# Allegro board WeChat_ZM_PART_20200601.brd (continued)
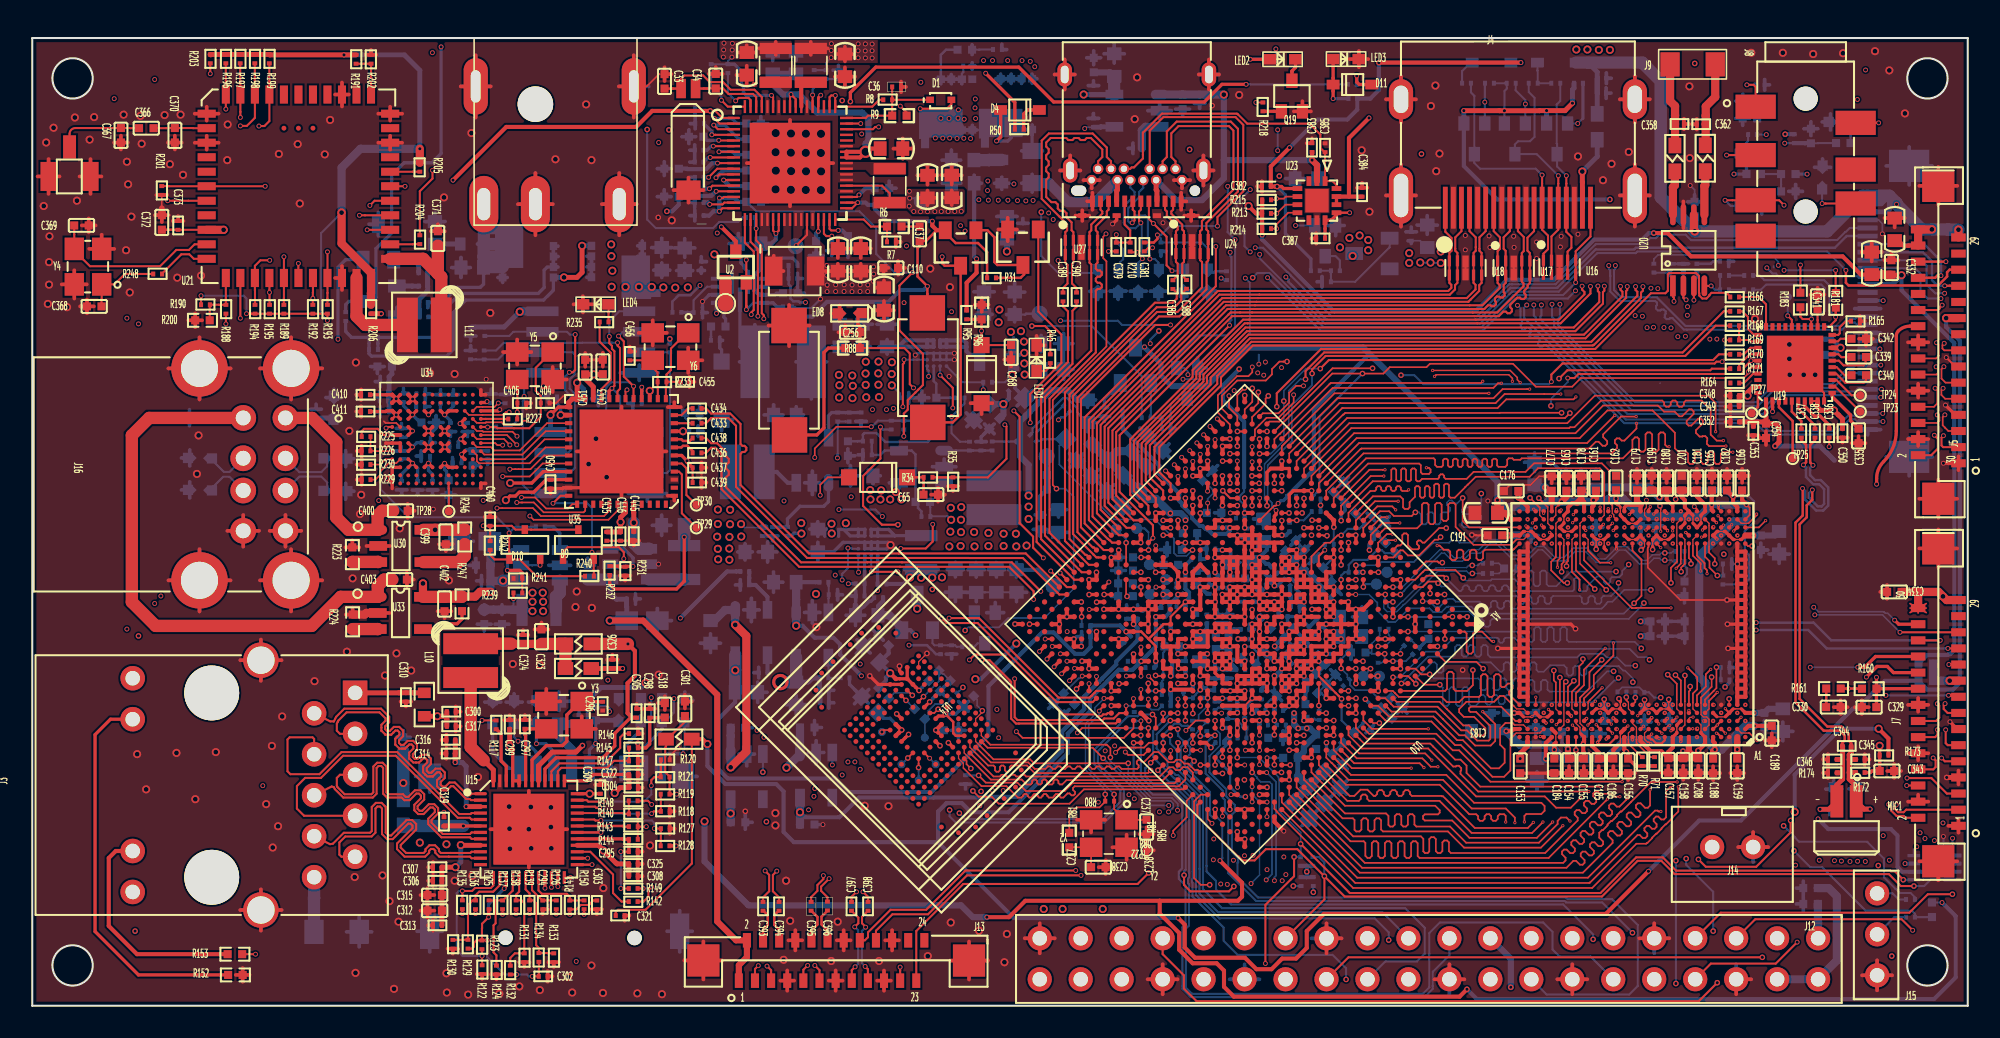
[diagram p0: board, top side]
## Routing (per net, layer and track width the routed paths; a pad name or vN(x,y) marks a point on that pad's centre or on a via; arc(x,y) is an arc through that point) (continued)
WIFI-EN: length 3.6
  TOP w0.127: U21.12 12,43.87 12.01,43.86 R188.2 11.58,43.46 11.57,43.47 R190.1 11,43.45 R200.2
WL-REG-ON: length 88.7
  TOP w0.127: R188.1 v1(12.01,42.28) ; U10.W31 66.67,18.14 66.59,18.06 66.39,18.06 66.28,17.95 66.02,17.95 65.91,18.06 63.93,18.06 60.22,21.77 58.43,21.77 v1(58.1,21.45)
  SIG1 w0.127: v1(6.59,42.28) v2(6.59,22.93)
  SIG2 w0.127: v1(12.01,42.28) v1(6.59,42.28) ; v1(58.1,21.45) 57.59,20.93 54.92,20.93 54.29,21.57 34.9,21.57 33.39,23.08 6.74,23.08 v2(6.59,22.93)
WL-SDIO-CLK: length 65.9
  TOP w0.127: v1(16.5,46.03) 16.5,45.13 U21.17
  TOP w0.203: v2(74.71,32.85) 74.71,32.85 U10.AF7
  SIG2 w0.102: v2(74.71,32.85) 74.49,32.85 74.41,32.92 74.41,32.92 73.95,33.39 73.73,33.39 73.37,33.75 73.37,33.97 73.06,34.28 72.76,34.28 72.52,34.52 72.12,34.52 71.86,34.78 69.83,34.78 68.88,33.84 51.46,33.84 50.85,34.45 46.94,34.45 39.47,41.92 27.45,41.92 23.34,46.03 v1(16.5,46.03)
WL-SDIO-CMD: length 68.1
  TOP w0.102: U10.AH6 v2(73.8,33.77)
  TOP w0.127: v1(15.6,46.44) U21.16 15.6,43.87 15.6,43.86 R189.2
  SIG2 w0.102: v2(73.8,33.77) 73.8,34.19 73,34.99 72.63,34.99 72.42,35.19 69.85,35.19 68.73,34.07 51.59,34.07 50.96,34.7 47.17,34.7 39.68,42.19 27.57,42.19 23.33,46.44 16.12,46.44 16.12,46.44 v1(15.6,46.44)
WL-SDIO-D0: length 65
  TOP w0.127: R192.2 v1(17.4,43.86) 17.4,44.22 17.4,44.23 U21.18
  TOP w0.203: v2(75.17,31.47) 75.17,31.47 U10.AD8
  SIG2 w0.102: v2(75.17,31.47) 73.82,31.47 73.13,32.16 73,32.16 72.85,32.31 69.55,32.31 69.14,32.72 46.33,32.72 39.25,39.8 27.42,39.8 23.36,43.86 v1(17.4,43.86)
WL-SDIO-D1: length 65.7
  TOP w0.127: U21.19 v1(18.3,46.74) ; U21.19 18.3,45.12 ; U21.19 18.3,44.2 18.3,44.2 18.3,43.86 18.3,43.86 R193.2
  TOP w0.203: v2(74.25,35.15) 74.25,35.15 U10.AK5
  SIG2 w0.102: v1(18.3,46.74) 23.4,46.74 27.72,42.42 39.83,42.42 47.27,34.98 51,34.98 51.66,34.32 68.6,34.32 68.74,34.46 70.03,35.75 72.78,35.75 73.05,35.48 73.92,35.48 v2(74.25,35.15)
WL-SDIO-D2: length 70.3
  TOP w0.127: U10.AG7 v2(74.25,32.4) ; v1(14.72,46.22) 14.15,46.22 13.8,45.88 U21.14 13.8,44.37 13.81,44.36 R194.2
  SIG2 w0.102: v2(74.25,32.4) 74.25,32.81 74.22,32.84 73.87,33.2 73.65,33.2 73.18,33.67 73.18,33.89 72.98,34.09 72.71,34.09 72.53,33.92 72.52,33.92 72.49,33.89 72.22,33.89 72.05,34.07 71.66,34.07 71.43,34.3 69.73,34.3 69.03,33.6 47.36,33.6 40.14,40.81 28.19,40.81 23.28,45.72 15.22,45.72 v1(14.72,46.22)
WL-SDIO-D3: length 67.8
  TOP w0.127: U10.AE8 74.27,31.47 v2(73.81,31.93) ; R195.2 14.71,44.22 ; 14.71,44.22 14.71,44.36 14.7,44.37 U21.15 ; 14.71,44.22 v1(14.71,44.23)
  SIG2 w0.102: 73.67,32.55 73.49,32.72 72.53,32.72 72.09,33.16 71.83,33.16 71.64,32.97 71.32,32.97 71.11,33.18 70.71,33.18 70.41,33.48 69.73,33.48 69.43,33.18 47.02,33.18 46.95,33.25 46.76,33.25 39.73,40.28 27.79,40.28 23.62,44.45 16.57,44.45 16.35,44.23 v1(14.71,44.23)
  SIG2 w0.127: 73.67,32.55 73.81,32.4 v2(73.81,31.93)
WL-WAKE-HOST: length 94.7
  TOP w0.127: U10.V31 67.18,17.51 66.48,17.51 66.47,17.5 60.99,17.5 60.69,17.8 60.69,20.08 60.62,20.15 60.62,20.16 59.36,21.42 v1(58.87,21.42) ; U21.13 v1(12.9,42.63)
  SIG1 w0.127: v1(5.87,42.63) 5.87,23.7 5.87,23.69 v1(5.87,23.35)
  SIG2 w0.127: v1(5.87,23.35) 6.21,23.35 6.21,23.35 33.53,23.35 35.08,21.8 54.81,21.8 55.3,22.28 58.34,22.28 58.87,21.76 v1(58.87,21.42) ; v1(12.9,42.63) v1(5.87,42.63)
XTAL-IN: length 3.4
  TOP w0.127: U21.11 10.02,46.31 9.74,46.59 9.24,46.59 8.05,45.4 R248.1
XTAL_OUT: length 10.7
  TOP w0.127: C369.1 2.6,47.82 2.6,47.82 Y4.3 2.6,46.83 3.58,45.85 7.92,45.85 8.93,46.86 9.71,46.86 10.06,47.21 U21.10
N01909: length 2.1
  TOP w0.076: 58.86,18.17 58.49,17.79 U14.K2
  TOP w0.102: v2(58.9,18.29) 58.9,18.21 58.86,18.17
  BOTTOM w0.102: C289.2 58.58,18.99 58.58,18.61 v2(58.9,18.29)
N02023: length 1.1
  TOP w0.102: v2(54.17,18.93) 54.04,19.07 54.04,19.07 U14.W6
  BOTTOM w0.102: R115.2 54.34,18.77 54.33,18.77 v2(54.17,18.93)
N02115: length 1
  TOP w0.102: v1(55.64,15.34) 55.5,15.49 55.5,15.49 U14.M9
  BOTTOM w0.102: v1(55.64,15.34) 55.78,15.2 55.78,15.2 TP17.1
N02119: length 1.4
  TOP w0.102: v2(54.95,14.77) 54.95,14.99 54.95,14.99 U14.M10
  BOTTOM w0.102: v2(54.95,14.77) 54.95,14.54 54.95,14.54 54.95,14.27 TP18.1
N02213: length 1
  TOP w0.102: v2(54.28,15.36) 54.44,15.52 U14.N10
  BOTTOM w0.102: v2(54.28,15.36) 54.11,15.19 54.11,15.18 TP19.1
N02217: length 0.6
  TOP w0.102: v2(52.68,16.97) 52.8,17.09 U14.U10
N02899: length 3.4
  TOP w0.102: v2(55.26,19.17) 55.1,19.01 55.1,19 U14.U5
  BOTTOM w0.102: C288.2 56.5,20.57 56.43,20.57 R116.2 56.22,20.13 v2(55.26,19.17)
N14736087: length 4.3
  TOP w0.305: J3.1 22.73,19.4 22.74,19.41 C310.2 23.62,19.41 23.63,19.4 R151.2
N14736095: length 3.4
  BOTTOM w0.762: C311.2 17.47,6.69 17.48,6.7 J3.10
N15905404: length 2.1
  BOTTOM w0.127: D7.2 93.32,57.99 93.33,57.97 R155.1 R159.1
N15905522: length 1.6
  BOTTOM w0.127: D8.2 89.18,58.48 88.65,57.95 R157.1
N16368772: length 2.7
  TOP w0.508: J7.19 v5(118.88,20.16)
  BOTTOM w0.508: v5(118.88,20.16) 118.36,20.16 118.35,20.15 R163.2 ; R162.2 R163.2 ; R163.2 117.86,20.16
N16458616: length 5.2
  TOP w0.508: FB6.2 101.85,53.35 C358.1 101.85,55.2 101.85,55.2 101.85,55.78 101.54,56.09 J9.1
N16458620: length 2.7
  TOP w0.508: U20.8 101.72,50.75 101.84,50.87 FB6.1
N16458648: length 5.3
  TOP w0.508: J9.2 104.34,56.34 103.76,55.76 103.76,55.19 103.75,55.19 C362.2 103.75,53.37 FB7.2
N16458660: length 2.4
  TOP w0.127: v1(106.3,57.1) 106.72,57.1 106.85,56.97 J8.1
  BOTTOM w0.127: R186.1 v1(106.3,57.1)
N16458704: length 2.3
  BOTTOM w0.127: C355.1 108.43,50.93 108.43,50.94 R175.2 107.99,51.57 107.99,51.57 R177.1
N16458758: length 9.2
  TOP w0.127: J8.7 111.19,49.74 111.19,49.74 v1(110.97,49.74) ; R183.2 109.62,44.65 109.63,44.65 v1(109.63,45.93)
  SIG1 w0.152: v1(109.63,45.93) 110.97,47.27 v1(110.97,49.74)
  BOTTOM w0.127: 110.97,50.73 v1(110.97,49.74)
N16458762: length 13.6
  TOP w0.127: R181.2 111.82,44.63 111.81,44.63 v1(111.81,45.6) ; v1(108.61,49.64) 108.31,49.94 J8.3 105.41,49.94 v1(104.95,49.94)
  SIG1 w0.127: v1(108.61,45.6) v1(108.61,49.64)
  BOTTOM w0.127: v1(108.61,45.6) v1(111.81,45.6) ; ED13.1 105.95,49.59 105.3,49.59 v1(104.95,49.94)
N16458936: length 0.9
  BOTTOM w0.127: R187.2 C365.1
N16458992: length 2
  TOP w0.127: v1(104.09,44.63) 103.68,44.63 U20.4
  BOTTOM w0.127: v1(104.09,44.63) 104.33,44.39 C365.2 C363.2
N16459088: length 2
  TOP w0.127: v1(108.84,42.78) 109.09,42.52 U19.26
  BOTTOM w0.127: v1(108.84,42.78) 108.84,43.56 108.86,43.58 TP26.1
N16459174: length 2.7
  TOP w0.508: U20.5 103.67,50.83 103.73,50.89 FB7.1
N16459182: length 0.9
  BOTTOM w0.127: C363.1 R185.2
N16459206: length 2.7
  TOP w0.127: v1(102.54,43.77) 102.51,43.79 102.46,43.79 102.37,43.89 U20.2
  BOTTOM w0.127: v1(102.54,43.77) 102.36,43.95 102.36,45.13 102.37,45.14 C360.2
N16459210: length 2.7
  TOP w0.127: U20.3 v1(103.02,43.75)
  BOTTOM w0.127: C361.2 103.21,45.14 103.02,44.95 v1(103.02,43.75)
N16459230: length 1.5
  BOTTOM w0.152: C361.1 104.06,46 104.22,46.16 R184.2
N16459444: length 2.5
  TOP w0.203: R172.2 113.96,14.46 114.06,14.56 C343.1 114.54,15.03 114.54,15.04 R173.1 v5(114.54,16.12)
N16459798: length 2
  TOP w0.152: C337.2 109.68,36.25 109.09,36.83 U19.5
N16459876: length 2.1
  TOP w0.152: C338.2 110.53,35.98 109.49,37.01 U19.6
N16460272: length 1.1
  TOP w0.127: U19.22 110.69,42.51 110.69,42.52 C341.1
N16460322: length 1.3
  TOP w0.127: C342.1 112.35,41.36 112.35,41.36 112.12,41.36 111.95,41.2 U19.19
N16460392: length 2.7
  TOP w0.127: U19.14 111.84,39.2 112.41,38.63 113.55,38.63 113.69,38.77 113.69,39.09 C340.1
N16460396: length 1.4
  TOP w0.127: U19.15 111.87,39.6 112.38,39.09 C340.2
N16460426: length 2.6
  TOP w0.127: U19.16 112.01,40 112.3,39.71 113.54,39.71 113.67,39.83 113.67,40.2 C339.1
N16460430: length 1.3
  TOP w0.127: U19.17 111.98,40.4 112.17,40.21 112.34,40.21 112.35,40.22 C339.2
N16460664: length 2.9
  TOP w0.203: U19.11 111.59,37.77 112.74,36.63 112.74,36.28 C335.2
N16460672: length 1.7
  TOP w0.127: R165.1 112.45,42.45 112.06,42.06 112.06,41.69 111.97,41.6 U19.20
N16460744: length 1.4
  TOP w0.152: U19.40 106.99,37.12 TP27.1
N16461180: length 3.9
  TOP w0.152: U19.3 108.29,37.11 109.15,36.26 TP25.1
N16461246: length 2.4
  TOP w0.127: TP23.1 111.77,38.4 U19.12
N16461264: length 2.1
  TOP w0.127: U19.13 111.86,38.8 112.8,37.85 TP24.1
N16461590: length 2.6
  TOP w0.203: C336.2 111.41,36 110.85,36.56 110.51,36.56 109.89,37.17 U19.7
N16461956: length 3.9
  TOP w0.127: U20.1 101.72,43.96 101.79,43.9 v1(101.79,43.67)
  BOTTOM w0.127: R182.2 100.55,45.45 C357.2 101.52,45.44 101.52,45.26 101.79,44.99 v1(101.79,43.67)
N16466981: length 5.4
  TOP w0.127: C366.2 6.09,54.41 6.08,54.42 C367.1 2.67,54.42 arc(2.42,54.31) 2.31,54.06 J10.1
N16466985: length 3.3
  TOP w0.127: U21.2 9.97,54.41 9.96,54.42 C370.1 8.31,54.42 8.3,54.41 C366.1
N16467899: length 8.3
  TOP w0.762: 25.15,45.4 25.36,45.19 L11.1 ; 25.15,45.4 24.24,46.31 U21.23 ; 25.15,45.4 C371.1
N16470079: length 4.8
  TOP w0.127: C368.1 4.29,43.8 4.3,43.81 Y4.1 5.09,44.73 5.74,45.37 R248.2
N16472191: length 5.7
  TOP w0.762: L11.2 20.64,42.21 20.1,42.75 U21.21
N16473650: length 1.8
  TOP w0.127: U21.24 23.59,47.21 23.6,47.22 R204.1
N16474253: length 1.8
  TOP w0.127: R205.2 23.6,51.71 23.6,51.71 U21.29
N16788693: length 2.3
  BOTTOM w0.508: U22.3 69.02,54.5 68.79,54.27 R211.1
N16795291: length 2.3
  TOP w0.203: LED2.1 v1(75.52,58.68)
  BOTTOM w0.203: v1(75.52,58.68) 76.23,58.68 76.33,58.59 R216.2
N16795446: length 1.4
  TOP w0.203: Q19.3 78.1,57.91 78.1,57.91 78.1,57.95 78.32,58.17 LED2.2
N16796075: length 1.9
  BOTTOM w0.127: J15.3 115.34,6.97 115.72,6.59 R220.2
N16796099: length 2.2
  BOTTOM w0.127: J15.2 115.45,5.49 R221.2
N16796955: length 2.1
  TOP w0.152: J13.4 45.31,4.71 45.6,5 45.6,5.62 45.33,5.89 C393.2
N16797043: length 2.1
  TOP w0.152: C394.2 46.28,5.89 46.01,5.62 46.01,5.01 46.31,4.71 J13.6
N16797093: length 2.2
  TOP w0.152: C395.2 48.3,5.89 48.68,5.51 48.68,5.04 48.31,4.67 J13.10
N16797144: length 2.2
  TOP w0.152: 49.3,5.89 49.3,5.89 ; 49.3,5.89 48.94,5.52 48.94,5.04 49.31,4.67 J13.12 ; 49.3,5.89 C396.2
N16798049: length 4.9
  TOP w0.127: J13.15 50.81,2.21 v1(51.02,2.41) ; C397.1 51.22,5.46 51.22,5.11 v1(50.99,4.89)
  BOTTOM w0.127: v1(50.99,4.89) 51.21,4.68 51.21,2.6 v1(51.02,2.41)
N16798072: length 4.8
  TOP w0.127: v1(51.67,4.87) 51.67,4.89 51.45,5.11 51.45,5.51 C398.1 ; v1(51.64,2.44) 51.81,2.27 J13.17
  BOTTOM w0.127: v1(51.64,2.44) 51.44,2.64 51.44,4.64 v1(51.67,4.87)
N16803257: length 9.2
  TOP w0.127: U34.H1 28.23,35.89 v1(28.23,35.88) 28.76,35.88 28.77,35.89 28.84,35.81 29.86,35.81 29.86,35.81 30.81,35.81 31.53,36.52 C404.1 31.53,37.82 31.22,38.13 31.22,39.55 32.19,40.53 Y5.1
  BOTTOM w0.127: R245.2 28.75,35.88 v1(28.23,35.88)
N16803298: length 3.9
  TOP w0.127: 30.08,36.73 30.06,36.72 30.06,36.72 30.07,36.73 ; C405.1 30.08,38.03 30.07,38.04 Y5.3
  TOP w0.152: C405.1 30.08,37.14 30.07,37.13 v1(30.07,36.81) 30.07,36.38 R227.2
  BOTTOM w0.127: v1(30.07,36.81) 30.07,36.29 29.66,35.88 R245.1
N16803515: length 1.7
  TOP w0.127: U34.J1 29.19,36.39 29.2,36.38 R227.1
N16804069: length 1.7
  TOP w0.127: TP28.1 25.83,32.06 25.82,32.07 U34.A5
N16820643: length 4.2
  TOP w0.127: TP29.1 40.28,30.53 40.28,32.94 40.1,33.12 U35.4
N16820646: length 3.4
  TOP w0.127: TP30.1 40.56,31.67 40.56,33.33 40.27,33.62 U35.5
N16821572: length 12.1
  TOP w0.127: v1(36.29,41.11) 36.29,40.93 36.44,40.78 36.44,38.26 36.28,38.1 U35.19
  BOTTOM w0.127: R243.1 28.75,40.62 29.23,41.1 34.1,41.1 34.11,41.11 35.51,41.11 35.52,41.11 35.94,41.11 v1(36.29,41.11)
N16821640: length 1.7
  TOP w0.203: U35.16 37.78,38.12 37.79,38.12 37.79,38.35 v1(37.79,38.35)
  BOTTOM w0.203: R234.1 37.78,37.76 37.79,37.77 37.79,37.97 37.79,37.97 v1(37.79,38.35)
N16822483: length 1.1
  TOP w0.127: LED4.1 35.74,42.97 35.73,42.97 R235.2
N16822485: length 5.3
  TOP w0.127: U35.21 35.28,38.23 35.87,38.81 35.87,40.49 35.18,41.17 R235.1
N16829921: length 3.6
  TOP w0.203: v1(37.25,27.24) 36.78,27.24 R231.2 36.38,27.22 36.34,27.25 R232.1
  BOTTOM w0.203: U36.6 36.69,28.33 37.25,27.77 v1(37.25,27.24)
N16829957: length 2.2
  BOTTOM w0.762: U36.3 40.42,26.43 L12.1
N16831823: length 4.2
  TOP w0.102: R239.1 30.38,26.17 30.39,26.17 R241.2
  TOP w0.203: R241.2 30.36,26.52 30.36,26.85 30.22,26.99 v1(29.46,26.99)
  BOTTOM w0.203: U39.6 29.75,28.26 29.46,27.97 v1(29.46,26.99)
N16831845: length 1.9
  BOTTOM w0.762: U39.3 32.71,25.61 32.47,25.36 L13.1
N16853539: length 2.2
  TOP w0.102: v1(28.89,37.37) 28.66,37.13 27.92,37.13 27.71,37.13 27.71,37.13 27.56,37.13 U34.K2
  BOTTOM w0.127: v1(28.89,37.37) 29.3,37.37 R228.1
N16923143: length 1.6
  TOP w0.762: R224.1 21.42,23.35 U33.3
N16923268: length 1.6
  TOP w0.762: U30.3 21.44,27.52 R223.1
N16990850: length 1.4
  TOP w0.127: U19.37 106.71,39.2 106.12,38.61 R164.1
N17045844: length 3.4
  TOP w0.203: LED3.1 80.65,57.52 80.65,57.52 D11.2 80.65,56.71 v1(80.65,56.24)
  BOTTOM w0.203: R219.2 v1(80.65,56.24)
N17285759: length 4.5
  BOTTOM w0.203: R86.2 34.93,17.68 v1(34.93,16.26) 34.54,15.87 J2.5
  BOTTOM w0.305: R86.2 36.33,17.69 ED4.1
N17314664: length 0.4
  TOP w0.102: U10.D11 v2(83.42,20.44)
N17349834: length 8.4
  TOP w0.203: R88.2 49.36,40.78 49.08,40.51 49.08,35.83 48.64,35.39 SW2.1
N58752136: length 1.7
  TOP w0.102: U10.G15 v2(79.77,18.61)
  BOTTOM w0.102: v2(79.77,18.61) 79.77,18.28 R77.1
N58760399: length 1.4
  TOP w0.127: U10.R7 79.77,27.88 v1(80.14,28.25)
  BOTTOM w0.127: v1(80.14,28.25) R78.1
N58763968: length 11.5
  TOP w0.102: v2(66.52,13.11) 66.52,12.68 R80.2 66.52,12.66 66.16,12.3 64.74,12.3 64.3,11.85 R81.2 ; v1(66.45,19.06) 66.68,19.06 66.69,19.06 U10.Y30
  BOTTOM w0.102: v2(66.52,13.11) 66.52,13.39 65.3,14.61 65.3,17.49 65.88,18.06 65.88,18.49 v1(66.45,19.06)
N58763972: length 2.6
  TOP w0.102: R81.1 64.6,9.82 64.6,9.83 Y2.3 65.65,8.89 C238.2
N58764110: length 9.7
  TOP w0.102: v1(66.15,18.27) 66.22,18.33 66.22,18.37 66.29,18.44 66.29,18.45 U10.Y31 ; v2(67.07,13.11) 67.07,13.11 R80.1 67.07,12.2 67.75,11.53 Y2.1 68.78,11.53 68.79,11.54 C237.1
  BOTTOM w0.102: v2(67.07,13.11) 65.49,14.69 65.49,17.41 66.15,18.07 v1(66.15,18.27)
N58792500: length 1.7
  TOP w0.102: U10.AF14 v2(71.5,29.64)
  BOTTOM w0.102: 71.5,29.48 71.5,29.28 71.53,29.24
  BOTTOM w0.127: R107.1 71.33,29.29 71.33,29.47 v2(71.5,29.64) 71.5,29.48 71.23,29.22
N58802358: length 18.2
  TOP w0.102: U10.AE15 v2(71.94,28.25)
  BOTTOM w0.102: D6.2 63.68,34.72 63.68,33.56 67.08,30.16 69.6,30.16 70.79,28.96 70.79,28.07 70.96,27.9 71.58,27.9 v2(71.94,28.25)
  BOTTOM w0.152: 62.27,35.02 62.26,35.04 62.26,35.54 R109.1 ; 62.27,35.02 62.53,35.02 62.63,35.13 D6.2 ; 62.27,35.02 R110.1
N58808382: length 1
  TOP w0.102: U10.AF12 v2(72.41,30.55)
  BOTTOM w0.102: 72.91,30.46 72.82,30.55 72.82,30.55
  BOTTOM w0.203: v2(72.41,30.55) 72.82,30.55 R113.1
N58808787: length 2.5
  TOP w0.076: U10.AF11 v1(72.87,31.17)
  BOTTOM w0.102: v1(72.87,31.17) 72.87,31.43 73.2,31.76 73.2,31.98 72.84,32.34 72.77,32.34 R108.1
N58857964: length 1
  TOP w0.102: U10.L29 71.82,15.39 v2(72.03,15.17)
  BOTTOM w0.102: R84.1 72.03,15.14 v2(72.03,15.17)
N58861592: length 1.5
  TOP w0.102: U10.AC31 64.91,19.83 64.91,19.8 v2(64.74,19.64)
  BOTTOM w0.102: v2(64.74,19.64) 64.74,19.23 64.62,19.1 R89.1
N58862879: length 2.5
  TOP w0.102: U10.AH20 v2(67.82,28.71)
  BOTTOM w0.102: v2(67.82,28.71) 67.82,28.94 TP14.1
N58862881: length 2.4
  TOP w0.102: U10.AH18 v2(69.21,28.26)
  BOTTOM w0.102: 69.2,29.35 69.2,28.88 69.21,28.88 v2(69.21,28.26)
  BOTTOM w0.127: TP13.1 68.96,29.6 69.2,29.35
N58863591: length 1
  TOP w0.102: U10.AF15 v2(71.49,28.71)
  BOTTOM w0.102: R111.1 71.27,28.49 v2(71.49,28.71)
N59167825: length 1
  TOP w0.102: U10.AG18 v2(68.75,27.8)
  BOTTOM w0.102: v2(68.75,27.8) 68.24,27.8 R91.1
N59167849: length 1
  TOP w0.102: U10.AG20 v2(68.73,26.88)
  BOTTOM w0.102: v2(68.73,26.88) 68.35,26.88 R93.1
N59482131: length 0.9
  TOP w0.102: U10.G21 v2(77.01,16.8)
  BOTTOM w0.102: v2(77.01,16.8) 76.82,16.8 R112.1
N60285914: length 1.1
  TOP w0.102: U10.AE18 v2(69.65,26.88)
  BOTTOM w0.102: TP11.1 69.65,26.98 v2(69.65,26.88)
N60285917: length 0.6
  TOP w0.102: U10.AD18 v2(70.11,26.42)
  BOTTOM w0.102: TP12.1 70.28,26.42 v2(70.11,26.42)
N60286128: length 1.1
  TOP w0.102: U10.AD19 v1(69.67,25.96)
  BOTTOM w0.102: v1(69.67,25.96) 69.29,25.58 TP15.1
N63043642: length 2
  TOP w0.102: U10.AC30 v1(65.1,20.44)
  BOTTOM w0.102: v1(65.1,20.44) 64.96,20.3 64.87,20.3 R90.1
N63807265: length 1.1
  TOP w0.102: U10.AE21 v2(68.74,25.96)
  BOTTOM w0.102: v2(68.74,25.96) 68.45,25.96 R92.1
N63807271: length 1.4
  TOP w0.102: U10.AG21 67.82,25.44 v2(67.88,25.38)
  BOTTOM w0.102: v2(67.88,25.38) 68.23,25.38 R94.1
N64127812: length 1.1
  TOP w0.102: U10.E11 v2(82.97,20.9)
  BOTTOM w0.102: TP9.1 82.81,20.71 82.81,20.74 v2(82.97,20.9)
N64130222: length 23.4
  TOP w0.102: U10.L28 v1(72.43,15.85)
  SIG1 w0.102: v2(57.7,19.74) 57.7,18.94 58.99,17.65 58.99,13.45 v2(58.83,13.29)
  SIG2 w0.102: v2(58.83,13.29) 59.45,13.91 68.35,13.91 69.02,14.58 69.02,14.59 69.04,14.6 69.04,15.18 69.04,15.18 69.04,15.22 69.23,15.41 69.48,15.41 69.88,15.02 71.45,15.02 71.93,15.5 72.09,15.5 v1(72.43,15.85)
  BOTTOM w0.102: v2(57.7,19.74) R83.1
N64166694: length 0.9
  TOP w0.102: v2(99.39,19.11) 99.39,18.84 U11.E15
  BOTTOM w0.127: v2(99.39,19.11) 99.39,19.43 R68.1
N64167374: length 2.2
  TOP w0.076: U11.B15 98.96,16.91 98.96,16.52
  TOP w0.102: 98.96,16.52 98.96,16.26 99.8,15.42 R70.1
N64167376: length 3
  TOP w0.076: 99.46,16.52 99.46,17.26 99.21,17.51 U11.C15
  TOP w0.102: R71.1 100.33,15.41 99.46,16.29 99.46,16.5 99.46,16.52
N64168065: length 1.5
  TOP w0.076: 98.91,18.86 98.96,18.81 98.96,18.41 U11.D15
  TOP w0.102: 98.91,18.86 98.83,18.94 v2(98.83,19.13)
  BOTTOM w0.127: R69.1 98.83,19.46 v2(98.83,19.13)
N64188336: length 1
  TOP w0.102: U10.L4 v2(83.46,26.88)
  BOTTOM w0.127: TP8.1 84,26.88 v2(83.46,26.88)
N64188339: length 1.3
  TOP w0.127: U10.L5 v2(82.53,25.97)
  BOTTOM w0.127: v2(82.53,25.97) 82.7,26.14 TP10.1
N64220909: length 4.3
  TOP w0.127: R7.2 52.99,47.7 53,47.71 R6.1 51.99,48.31 51.56,48.75 U1.34
N64220935: length 1.6
  TOP w0.229: 46.57,45.55 L1.2 45.97,46.5
N64221525: length 3.3
  TOP w0.127: U1.56 v1(48.38,56.47)
  BOTTOM w0.127: v1(48.38,56.47) 48.38,56.83 48.48,56.93 R2.1 48.88,57.46 48.88,57.46 C10.1 49.56,57.46 49.56,57.45 R1.1
N64221603: length 2
  TOP w0.127: v1(51.26,50.28) 51.13,50.15 U1.37
  BOTTOM w0.254: C12.1 51.67,50.69 v1(51.26,50.28)
N64221613: length 1.9
  TOP w0.254: U1.58 47.68,56.27 47.68,56.28 47.68,56.98 47.96,57.26 L4.1
N64221661: length 7.9
  TOP w0.127: U1.65 45.23,56.34 44.78,56.79 43.3,56.79 42.83,57.27 42.01,57.27 41.6,57.68 40.43,57.68 40.23,57.48 Y1.1
  TOP w0.152: Y1.1 39.72,56.87 39.72,56.86 C33.1
N64221736: length 4.9
  TOP w0.127: U1.66 44.88,56.34 44.69,56.53 43.17,56.53 42.83,56.87 C34.1 41.62,56.87 41.62,56.87
  TOP w0.152: Y1.2 41.94,56.87 41.94,56.87
N64221909: length 7
  TOP w0.127: D1.2 55.24,56.17 55.23,56.17 R8.1 ; R8.1 53.31,55.63 R9.2 51.82,55.19 51.68,55.05 U1.51 ; R8.1 53.31,56.51 C36.2
N64222479: length 1.1
  TOP w0.127: R6.2 54.57,48.31 54.57,48.32 C37.1
N64224000: length 3
  BOTTOM w0.152: U6.1 57.29,34.42 57.3,34.42 R21.2 58.33,34.42 58.34,34.43 C56.1 59.05,34.43 59.06,34.43 R18.2
N64224228: length 7.2
  BOTTOM w0.152: C58.1 51.16,35 51.17,35.01 R24.1 51.5,35.41 51.59,35.51 52.34,35.51 52.89,34.96 55.51,34.96 55.62,35.08 55.62,35.38 55.63,35.38 R27.1 55.27,35.71 55.26,35.73 R23.2
N64224250: length 7.8
  BOTTOM w0.152: R24.2 52.05,34.65 52.05,34.65 R28.1 52.58,34.15 52.85,34.42 U6.5 54.52,34.42 54.76,34.18 C57.2 54.91,31.09 54.91,30.87 55.13,30.65 R22.2